# Altium PCB 3-as-manufactured.PcbDoc (part 10 of 16) (continued)
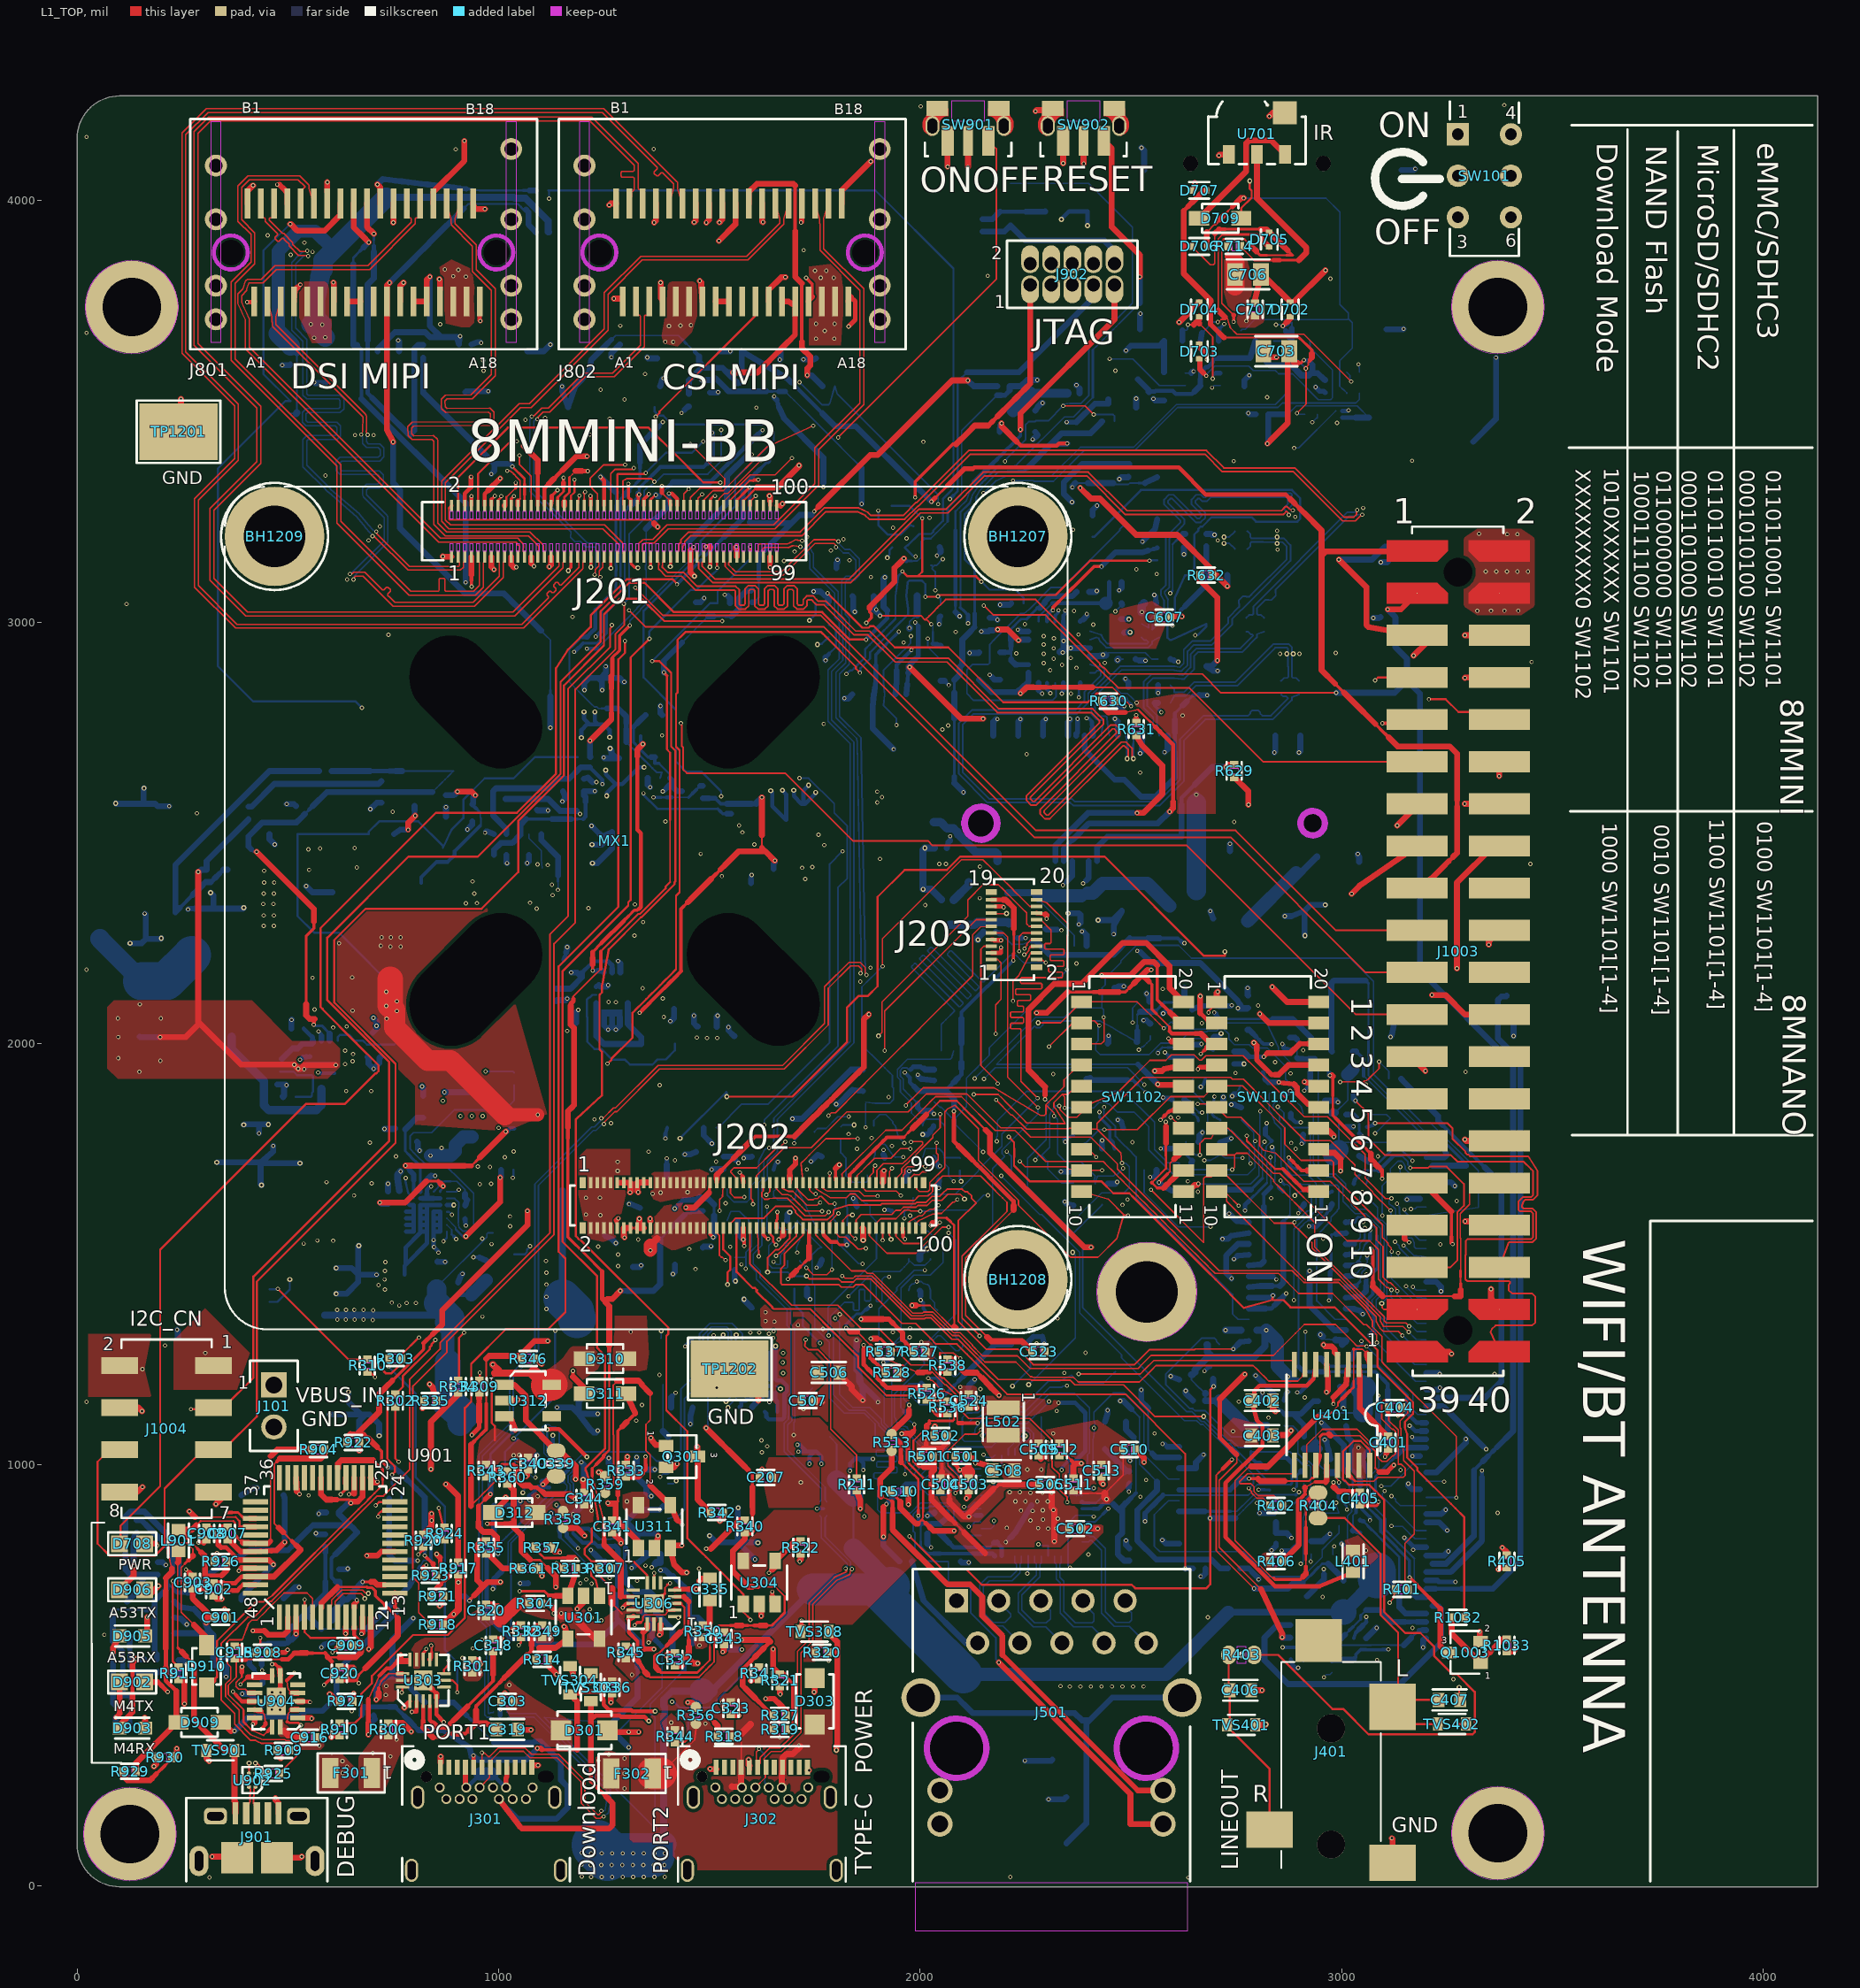
[diagram p0: L1_TOP view]
## Nets (pads, with @x,y where several pads share a name; then routed paths per layer and width w, separated by ;. In a path a pad name is that pad's centre, name@x,y a point inside that pad or via, vN(x,y) a via of type N, cw(c..) or ccw(c..) an arc to the next point about the centre after c; other vN are vias at no path point) (continued)
PCIE_RX_N: J201.63 J601.43 | length 2749.8
  L1_TOP w4: J201.63@1375.99,3155.16 1379.24,3141.2 1379.06,3128.27 1379.06,3128.15 1379.07,3128.03 1379.07,3127.91 1379.08,3127.78 1379.09,3127.66 1379.11,3127.54 1379.13,3127.42 1379.15,3127.3 1379.18,3127.18 1379.21,3127.06 1379.24,3126.95 1379.27,3126.83 1379.31,3126.71 1379.35,3126.6 1379.39,3126.48 1379.44,3126.37 1379.49,3126.26 1379.54,3126.15 1379.6,3126.04 1379.66,3125.93 1379.72,3125.83 1379.78,3125.72 1379.85,3125.62 1379.92,3125.52 1379.99,3125.42 1380.07,3125.33 1380.14,3125.23 1380.22,3125.14 1380.3,3125.05 1380.39,3124.96 1380.88,3124.47 1381.08,3124.47 1396.37,3109.17 1433.73,3109.17 1466.63,3076.28 1550.19,3076.28 1558.53,3076.28 1561.33,3073.48 1561.33,3039.26 1569.4,3031.19 1585.26,3031.19 1593.33,3039.26 1593.33,3074.85 1596.13,3077.65 1604.53,3077.65 1607.33,3074.85 1607.33,3039.26 1615.4,3031.19 1631.26,3031.19 1639.33,3039.26 1639.33,3074.85 1642.13,3077.65 1650.53,3077.65 1653.33,3074.85 1653.33,3039.26 1661.4,3031.19 1677.26,3031.19 1685.33,3039.26 1685.33,3074.85 1688.13,3077.65 1696.53,3077.65 1699.33,3074.85 1699.33,3039.26 1707.4,3031.19 1723.26,3031.19 1731.33,3039.26 1731.33,3050.22 1734.13,3053.02 1742.53,3053.02 1745.33,3050.22 1745.33,3049.26 1753.4,3041.19 1771.89,3041.19 1789.56,3023.51 1843.1,2969.97 1876.06,2969.97 1940.6,2905.43 2063.28,2905.43 2183.15,2785.56 2398.93,2785.56 2405.44,2785.56 2425.52,2765.48 2425.52,2761.52 2252.4,2588.4 2252.4,2576.99 2263.61,2565.77 2275.03,2565.77 2456.15,2746.89 2460.11,2746.89 2466.05,2740.95 2466.05,2736.99 2284.93,2555.87 2284.93,2544.46 2296.14,2533.25 2307.56,2533.25 2480.67,2706.37 2484.63,2706.37 2487.91,2703.09 2493.83,2697.17 2493.83,2681.12 2490.76,2678.05 v2(2490.76,2675.88)
  L8_BOT w4: v2(2490.76,2675.88) J601.43@2490.76,2716.71 ; 2493.91,2686.55 2493.77,2686.69 2493.61,2699.91 2493.61,2699.98 2491.01,2715.26 J601.43@2490.76,2716.71 ; J601.43@2490.76,2716.71 J601.43@2488.42,2730.52 2490.76,2728.18 J601.43@2490.76,2716.71
PCIE_RX_P: J201.65 J601.41 | length 2754.5
  L1_TOP w4: J201.65@1391.74,3155.16 1388.52,3141.08 1388.37,3130.1 1388.37,3129.91 1400.1,3118.17 1437.46,3118.17 1470.35,3085.28 1550.19,3085.28 1562.26,3085.28 1570.33,3077.21 1570.33,3042.99 1573.13,3040.19 1581.53,3040.19 1584.33,3042.99 1584.33,3078.58 1592.4,3086.65 1608.26,3086.65 1616.33,3078.58 1616.33,3042.99 1619.13,3040.19 1627.53,3040.19 1630.33,3042.99 1630.33,3078.58 1638.4,3086.65 1654.26,3086.65 1662.33,3078.58 1662.33,3042.99 1665.13,3040.19 1673.53,3040.19 1676.33,3042.99 1676.33,3078.58 1684.4,3086.65 1700.26,3086.65 1708.33,3078.58 1708.33,3042.99 1711.13,3040.19 1719.53,3040.19 1722.33,3042.99 1722.33,3053.94 1730.4,3062.02 1746.26,3062.02 1754.33,3053.94 1754.33,3052.99 1757.13,3050.19 1775.62,3050.19 1792.45,3033.35 1846.83,2978.97 1879.78,2978.97 1944.33,2914.43 2067.01,2914.43 2186.88,2794.56 2407.93,2794.56 2409.17,2794.56 2434.52,2769.21 2434.52,2757.79 2261.4,2584.67 2261.4,2580.71 2267.34,2574.77 2271.3,2574.77 2452.42,2755.89 2463.83,2755.89 2475.05,2744.68 2475.05,2733.26 2293.93,2552.15 2293.93,2548.19 2299.87,2542.25 2303.83,2542.25 2476.95,2715.37 2488.36,2715.37 2494.28,2709.45 2502.83,2700.89 2502.83,2681.12 2505.91,2678.05 v2(2505.91,2675.88)
  L8_BOT w4: v2@2502.91,2677.41 2503.05,2677.55 2503.05,2686.82 2502.89,2700.09 2505.32,2713.05 J601.41@2505.76,2715.42 ; v2(2505.91,2675.88) 2505.76,2675.88 J601.41@2505.76,2715.42 ; J601.41@2507.74,2726 J601.41@2505.76,2715.42 ; J601.41@2508.1,2730.52 2505.76,2728.18 J601.41@2505.76,2715.42
PCIE_TX_N: C616.1 J201.69 | length 2205.9
  L1_TOP w4: J201.69@1423.24,3155.16 1426.47,3169.43 1427.27,3183.71 1427.27,3183.79 1427.28,3183.91 1427.29,3184.03 1427.31,3184.15 1427.33,3184.27 1427.35,3184.39 1427.38,3184.51 1427.41,3184.63 1427.44,3184.75 1427.48,3184.86 1427.52,3184.98 1427.56,3185.09 1427.6,3185.21 1427.65,3185.32 1427.7,3185.43 1427.75,3185.54 1427.81,3185.65 1427.87,3185.75 1427.93,3185.86 1428,3185.96 1428.06,3186.06 1428.13,3186.16 1428.21,3186.26 1428.28,3186.36 1428.36,3186.45 1428.44,3186.54 1428.52,3186.63 1428.61,3186.72 1428.69,3186.81 1428.78,3186.89 1428.87,3186.97 1428.97,3187.05 1429.06,3187.12 1429.16,3187.2 1429.26,3187.27 1429.36,3187.34 1429.47,3187.4 1429.57,3187.46 1429.68,3187.52 1429.78,3187.58 1429.89,3187.63 1430,3187.69 1430.12,3187.73 1430.23,3187.78 1430.34,3187.82 1430.46,3187.86 1430.58,3187.9 1430.69,3187.93 1430.81,3187.96 1430.93,3187.99 1431.05,3188.01 1431.17,3188.03 1431.29,3188.05 1431.41,3188.07 1431.98,3188.61 1431.98,3195.04 1450.94,3214 1715.27,3214 1766.92,3265.64 1772.19,3270.92 1853.29,3270.92 1853.43,3271.06 1853.55,3271.05 1853.67,3271.05 1853.8,3271.04 1853.92,3271.03 1854.04,3271.02 1854.16,3271 1854.28,3270.98 1854.4,3270.95 1854.52,3270.92 1854.64,3270.89 1854.75,3270.86 1854.87,3270.82 1854.98,3270.78 1855.1,3270.74 1855.21,3270.7 1855.32,3270.65 1855.43,3270.6 1864.93,3266.01 1874.42,3261.43 1874.51,3261.39 1874.62,3261.33 1874.72,3261.27 1874.83,3261.21 1874.93,3261.15 1875.03,3261.08 1875.13,3261.01 1875.23,3260.94 1875.33,3260.86 1875.42,3260.78 1875.51,3260.7 1875.6,3260.62 1875.69,3260.53 1876,3260.22 1876,3259.82 1882.72,3253.11 1959.37,3253.11 1990.52,3284.26 1992,3284.26 2115.16,3407.43 2679.35,3407.43 2720.75,3366.02 2888.98,3366.02 3005.72,3249.28 3028.93,3249.28 3035.71,3256.06 3035.71,3264.85 v1(3036.86,3266)
  L8_BOT w4: C616.1@2773.58,3010.14 2780.58,3017.13 2787.96,3017.13 2790.3,3019.48 2790.3,3037.03 3014.27,3261 3031.52,3261 3036.52,3266 v1(3036.86,3266)
PCIE_TX_P: C615.1 J201.71 | length 2203
  L1_TOP w4: J201.71@1438.98,3155.16 1435.74,3168.92 1436.35,3179.88 1436.41,3179.93 1436.5,3180.01 1436.59,3180.09 1436.66,3180.17 1440.98,3184.48 1440.98,3191.31 1454.67,3205 1719,3205 1775.92,3261.92 1850.8,3261.92 1850.94,3261.78 1852.36,3261.78 1861.02,3257.6 1869.68,3253.42 1878.99,3244.11 1963.09,3244.11 1994.24,3275.26 1995.72,3275.26 2118.89,3398.43 2675.62,3398.43 2717.02,3357.02 2885.25,3357.02 2947.27,3295 2953.64,3288.64 3001.99,3240.28 3032.65,3240.28 3047.38,3255 v1(3049,3255)
  L8_BOT w4: C615.1@2816.03,3010.13 2809.03,3017.13 2801.64,3017.13 2799.3,3019.48 2799.3,3033.3 2800.8,3034.8 2819.19,3053.19 2825.97,3053.19 2826.68,3052.48 2833.47,3052.48 2843.65,3062.66 2843.65,3069.45 2842.94,3070.16 2842.94,3076.94 2863.47,3097.47 3018,3252 3035.24,3252 3038.24,3255 v1(3049,3255)
PCIE_TXC_N: C616.2 J601.37 | length 482.8
  L8_BOT w4: J601.37@2547.47,2730.52 2550.06,2745.77 2552.66,2761.01 2552.8,2761.15 2552.8,2774.6 2530.07,2797.33 2530.07,2857.78 2548.8,2876.5 2602.37,2876.5 2602.51,2876.64 2602.91,2876.64 2603.02,2876.64 2603.14,2876.64 2603.26,2876.63 2603.38,2876.62 2603.5,2876.6 2621.24,2874.34 2623.14,2874.34 2641.36,2892.56 2641.36,2923.42 2655.61,2937.67 2759.87,2937.67 2790.16,2967.96 2790.16,2968.16 2787.63,2970.69 2784.49,2970.69 2777.58,2977.61 C616.2@2773.58,2977.61
PCIE_TXC_P: C615.2 J601.35 | length 483.5
  L8_BOT w4: J601.35@2567.16,2730.52 2564.54,2745.78 2561.94,2761.04 2561.8,2761.18 2561.8,2778.32 2539.07,2801.05 2539.07,2854.05 2552.52,2867.5 2602.48,2867.5 2602.62,2867.36 2620.36,2865.09 2620.48,2865.08 2620.6,2865.07 2620.72,2865.06 2620.84,2865.06 2620.95,2865.06 2621.35,2865.06 2621.63,2865.34 2626.86,2865.34 2650.36,2888.83 2650.36,2919.69 2659.33,2928.67 2763.6,2928.67 2797.89,2962.96 2798.08,2962.96 2798.17,2963.04 2798.25,2963.13 2798.33,2963.22 2798.41,2963.32 2798.49,2963.41 2798.56,2963.51 2798.63,2963.61 2798.7,2963.71 2798.76,2963.82 2798.82,2963.92 2798.88,2964.03 2798.94,2964.14 2798.99,2964.24 2799.04,2964.36 2799.09,2964.47 2799.14,2964.58 2799.18,2964.7 2799.22,2964.81 2799.25,2964.93 2799.29,2965.04 2799.32,2965.16 2799.34,2965.28 2799.37,2965.4 2799.39,2965.52 2799.41,2965.64 2799.42,2965.76 2799.43,2965.89 2799.44,2966.01 2799.44,2966.13 2799.44,2966.24 2799.44,2971.61 C615.2@2816.02,2977.61
PCIE_VDD_1V8: C608.1 C609.1 C611.1 L602.2 U601.11 U601.20 | length 310.8
  L5_PWR w20: v1(2045,2426) v1(2061,2426) 2063.46,2423.54 2093,2423.54 2118.46,2449 2300,2449 2321,2470
  L8_BOT w3.5: v1@2470.06,2912.36 C611.1@2481.45,2912.36
  L8_BOT w16.55: v1(2468.61,2909.83) 2468.61,2910.91 v1@2470.06,2912.36
  other v1: 2357.75,2830.16 2410.63,2994.37 2365,3026.78
PCIE_VDD_DIG: C603.1 C604.1 R603.2 R604.2 U601.7 | length 298.6
  L8_BOT w5: U601.7@2280.97,3002.09 2280.97,3012.7 2313.44,3045.18 ; 2351.18,3045.18 2351.33,3045.02
  L8_BOT w10: 2313.44,3045.18 2351.18,3045.18 C603.1@2448.27,3045.18 C604.1@2448.27,3094.98
  L8_BOT w20: R604.2@2079.76,2341 2115,2376.24 2115,2383
  L8_BOT w31.31: C603.1@2440.32,3044.71 C603.1@2440.77,3045.16
  other v1: 2141.57,2420.02 2248.45,2995.03
PCIE_VDDA_1V8: C605.1 C606.1 C607.1 L601.1 U601.3 U601.16 | length 193.3
  L8_BOT w3.5: 2440.14,2921.36 2446.46,2927.68 2534.08,2927.68 2549.39,2912.36 C606.1@2564.39,2912.36
  L8_BOT w16.55: U601.16@2403.41,2919.02 2419.45,2919.02 2428.51,2920.09 2434.04,2920.69 2440.13,2921.35
  L8_BOT w20: v1(2525.86,3024.14) 2525.86,3039.82 C605.1@2531.21,3045.18
  other v1: 2052.75,2745.14 2066.15,2755.01 2437.74,2903.51 2433.83,2922.63 2228.08,2925.83
PD1_I2C_SCL: R302.2 U303.8 | length 719.4
  L1_TOP w5: R302.2@754.41,1137.85 754.41,1107.14 754.41,1015 v1(762.13,1007.28) ; U303.8@869.98,504.27 869.98,514.41 880.1,524.53 880.1,535.13 v1(881,536.03)
  L3_INT w5: v1(762.13,1007.28) 777.86,991.54 777.86,590 806.96,560.9 813.86,560.9 838.74,536.03 v1(881,536.03)
PD1_I2C_SDA: R303.2 U303.7 | length 912.9
  L1_TOP w5: v1(738.71,1232.72) 738.71,1235.61 739.65,1236.55 R303.2@739.65,1252.21 ; U303.7@869.98,488.52 890.42,488.52 901.53,477.42 v1(901.53,460.34)
  L8_BOT w5: v1(738.71,1232.72) 803.04,1168.39 803.04,970.3 871.79,901.54 871.79,717.14 871.79,561.5 901.53,531.76 v1(901.53,460.34)
PD2_I2C_SCL: R309.2 U306.8 | length 715.4
  L1_TOP w5: v1(1309.96,771.53) 1310.92,770.57 1319.96,770.57 1352.42,738.11 U306.8@1352.44,720.36
  L1_TOP w10.99: v1(935.86,1070.78) 953.46,1088.38 953.46,1102.16
  L1_TOP w13.03: 953.46,1143.49 953.46,1157.27
  L1_TOP w14.05: 953.46,1102.16 953.46,1143.49 ; 953.46,1157.27 R309.2@953.47,1171.04
  L3_INT w3.5: 1035.48,917.04 1035.48,914.53 1090.04,859.98 1092.55,859.98 1163.71,788.81 ; 1185.93,788.81 1206.27,768.47
  L3_INT w4.85: 1206.27,768.47 1221.43,768.47
  L3_INT w7.92: v1(935.86,1070.78) 946.93,1059.71 ; 1174.82,788.81 1185.93,788.81 ; 1236.59,768.47 1266.91,768.47 1269.97,771.53 v1(1309.96,771.53)
  L3_INT w13.03: 1163.71,788.81 1174.82,788.81
  L3_INT w14.05: 946.93,1059.71 1034.78,971.86 1034.78,917.74 1035.48,917.04 ; 1221.43,768.47 1236.59,768.47
PD2_I2C_SDA: R310.2 U306.7 | length 992.3
  L1_TOP w5: R310.2@688.06,1220.85 693.82,1220.85 v1(706.29,1208.37) ; U306.7@1368.19,729.92 1368.43,730.16 1368.43,743.17 v1(1368.67,743.41)
  L3_INT w5: v1(706.29,1208.37) 706.29,1148.12 850.5,1003.91 850.5,963.61 858.1,956.01 862.04,952.07 862.04,949.69 960.27,851.47 962.66,851.47 1092.63,721.5 1142.49,721.5 1167.5,696.49 1323.69,696.49 1354.67,727.48 1359.03,731.84 1359.03,733.77 v1(1368.67,743.41)
PD_EN_SRC1: R332.1 U303.16 | length 375.1
  L1_TOP w5: v1(769.7,459.94) 771.56,461.79 U303.16@771.55,472.79 ; v1(1047.18,572.28) 1052.99,578.09 R332.1@1053,589.99
  L6_INT w5: v1(769.7,459.94) 790.64,439 913.9,439 v1@1047.18,572.28
PD_EN_SRC2: R334.1 U306.16 | length 956.6
  L1_TOP w14.05: v1(839,990) 838.82,990.18 838.82,1102.22 903.7,1167.1 R334.1@903.71,1171.04 ; v1(1381.45,596.92) 1383.94,599.4 U306.16@1383.94,621.95
  L3_INT w3.5: 838.82,963.13 838.82,962.66 957.27,844.21 957.99,844.21 1044.41,757.79 1044.41,757.54 1130.84,671.11
  L3_INT w5.87: 838.82,963.13 838.82,977.78 ; 1254.23,671.11 1270.14,655.21 1270.14,653.68 1286.04,637.78 1287.57,637.78 1306.8,618.55 1317.31,608.03 1341.18,608.03
  L3_INT w6.9: 838.82,977.78 838.82,989.82 v1(839,990) ; 1146.26,671.11 1192.53,671.11 ; 1238.81,671.11 1254.23,671.11
  L3_INT w7.92: 1192.53,671.11 1238.81,671.11
  L3_INT w9.96: 1341.18,608.03 1353.11,608.03
  L3_INT w14.05: 1130.84,671.11 1146.26,671.11 ; 1353.12,608.03 1364.23,596.92 v1(1381.45,596.92)
PHY_CLKOUT: U501.25
PMIC_ON_REQ: J201.48 R131.1 | length 984.2
  L1_TOP w9.96: v1(1241.36,3344.79) 1250.02,3336.13 J201.48@1250.01,3276.42
  L8_BOT w3.5: 1198.18,2964.64 1188.03,2954.49 1177.88,2944.34 1167.72,2934.18 1167.72,2857.74 1209.37,2816.09 1219.78,2805.68 1226.7,2798.75 1230.03,2798.75 1230.19,2798.91
  L8_BOT w3.83: 1230.19,2798.91 1232.93,2798.91 1236.58,2795.26 1243.53,2795.26
  L8_BOT w4.85: 1243.53,2795.26 1256.88,2795.26 ; 1278.06,3170.35 1278.06,3200.96 ; 1278.06,3277.48 1278.06,3308.09 ; 1302.67,2715.39 1312.97,2705.09 1323.26,2694.8 1333.56,2684.5 1343.86,2674.2 1354.16,2663.9 1364.46,2653.6 1374.76,2643.3 1386.89,2643.3 R131.1@1382.95,2630.14
  L8_BOT w5.87: 1228.9,3029.36 1238.74,3039.2 ; 1268.23,3068.69 1278.06,3078.52 1278.06,3121.76 1278.94,3122.64 1278.94,3133.36 1278.06,3134.24 1278.06,3170.35 ; 1278.06,3200.96 1278.06,3277.48
  L8_BOT w7.92: 1238.74,3039.2 1248.57,3049.03
  L8_BOT w8.94: 1248.57,3049.03 1268.23,3068.69
  L8_BOT w9.96: 1198.18,2964.64 1208.18,2964.64 ; 1209.8,2965.58 1218.89,2974.67 1228.9,2984.68 1228.9,3029.36
  L8_BOT w12.01: 1302.67,2745.78 1302.67,2760.97
  L8_BOT w13.03: 1208.18,2964.64 1209.79,2965.58 ; 1302.67,2730.59 1302.67,2745.78
  L8_BOT w14.05: v1(1241.36,3344.79) 1278.06,3308.09 ; 1256.88,2795.26 1283.57,2795.26 1302.67,2776.16 1302.67,2760.97 ; 1302.67,2715.39 1302.67,2730.59
POR_B: D908.A J201.50 R210.1 U204.2 | length 2245.5
  L1_TOP w4: J201.50@1265.76,3276.42 1265.77,3352.58 1275.45,3362.26 1317.09,3362.26 v1(1320.5,3365.67) ; v1(2339.11,3513.28) 2391.27,3513.28 v1(2411.85,3492.7)
  L6_INT w4: v1(1320.5,3365.67) 1336.78,3365.67 1342.34,3371.23 1530.88,3371.23 1609.44,3371.23 1656.57,3371.23 1667.57,3382.24 1678.57,3393.24 1689.57,3404.24 1872.28,3404.24 1964.88,3404.24 2134.67,3404.24 2178.22,3404.24 v1(2201,3381.46)
  L8_BOT w4: v1(2201,3381.46) 2201,3382.02 2205.13,3386.15 2205.13,3388.11 2249.8,3432.77 2249.8,3468.3 2257.34,3475.84 2272.32,3475.84 2274.27,3477.79 2303.63,3477.79 v1(2339.11,3513.28) ; D908.A@2214.2,4041.47 2399.63,4041.48 2503.62,3937.48 2503.62,3756.79 2400.28,3653.45 2400.28,3538.02 2381.78,3519.51 2354.77,3519.51 v1@2338.9,3517.14 ; v1(2411.85,3492.7) 2457.47,3492.7 2461.2,3488.97 R210.1@2461.2,3476.82
PPS/GPIO: U501.22
REF_CLK_32K: J202.37 R215.1 U202.8 | length 2544.1
  L1_TOP w5: v1(1974.3,830.56) 2051.7,753.15 2108.36,753.15 2146.08,715.44 2502,715.44 2510.07,707.37 2679.06,707.37 2687.99,716.3 v1(2687.99,873.36) 2687.99,1177.91 v1(2696.45,1186.37)
  L1_TOP w5.87: J202.37@1500.04,1657.09 J202.37@1501.27,1669.64
  L1_TOP w7.92: 1498.95,1646.02 J202.37@1500.04,1657.09
  L1_TOP w14.05: v1(1444,1611) 1444.66,1610.34 1463.27,1610.34 1498.95,1646.02
  L3_INT w4.2: v1(1444,1611) 1492.57,1562.43 1492.57,1502.24 1546.71,1448.1 1566.51,1448.1 1707.77,1306.84 1707.77,1273.23 1900,1081 1900,904.85 v1(1974.3,830.56)
  L8_BOT w3.5: 2747.57,873.36 2757.1,882.89 2766.62,892.42 2776.15,901.94 2785.68,911.47 2795.21,921
  L8_BOT w3.83: 2795.21,921 2838.35,921 U202.8@2844.15,915.19
  L8_BOT w14.05: v1(2687.99,873.36) 2747.57,873.36 ; R215.1@2695.28,1204.23 2695.28,1187.55 v1(2696.45,1186.37)
REF_CLK_32K_3V3: R629.2 U202.16 | length 2707.7
  L1_TOP w14.05: R629.2@2745.04,2631.98 2778.86,2598.16 v1(2778.86,2566.8)
  L6_INT w4: v1(2778.86,2566.8) 3071.69,2273.97 3071.69,2270.65 2816.2,2015.17 2816.2,1998.7 2792.78,1975.27 2792.78,1784.41 2792.78,1783.22 2752.55,1743 2752.55,1691 2826.86,1616.7 2835.52,1616.7 2842.21,1610 2968.97,1610 2971.31,1607.66 2971.31,1583.59 2933.75,1546.02 2933.75,1526.95 2936.37,1524.33 2936.37,1448.79 2931.8,1444.23 2908.2,1444.23 2880.63,1471.8 2828.11,1471.8 2799.39,1443.08 2799.39,1317.61 2940.51,1176.49 2940.51,1133.94 2965.99,1108.45 2965.99,1086.59 2909.93,1030.52 2909.93,947.04 2898.9,936.02 v1(2898.9,935.1)
  L8_BOT w3.5: 2781.26,919.21 2791.13,929.09 2877.36,929.09
  L8_BOT w3.83: 2736.37,889.59 2751.63,889.59 2781.26,919.21 ; 2877.36,929.09 2891.73,929.09
  L8_BOT w5.87: 2891.97,929.08 2897.98,935.1 v1(2898.9,935.1)
  L8_BOT w6.9: 2675.31,889.59 2736.37,889.59
  L8_BOT w7.92: 2891.73,929.08 2891.97,929.08
  L8_BOT w14.05: U202.16@2614.23,889.6 2675.31,889.59
REF_CLK_CN_N: J601.49 R615.2 R617.2 R622.1 | length 1647
  L3_INT w4: v2(2847,3187) 2844.84,3187 2841.34,3190.5 2835,3190.5 2825,3180.5 2825,3055.3 2881.5,2998.8 2881.5,2930.66 2885,2927.16 v2(2885,2925)
  L8_BOT w4: J601.49@2429.36,2730.52 2431.95,2745.68 2434.56,2760.82 2434.26,2767.53 2434.12,2767.67 2422.53,2767.67 2421.19,2769.02 2418.59,2769.02 2406.1,2781.51 2406.1,2797.99 2405.96,2798.13 2405.96,2798.54 2405.96,2798.66 2405.97,2798.78 2405.98,2798.9 2405.99,2799.02 2407.67,2813.14 2407.67,2829.03 2474.1,2895.45 2602.77,2895.45 2602.91,2895.59 2603.02,2895.59 2603.15,2895.58 2603.27,2895.58 2603.39,2895.57 2603.51,2895.55 2603.63,2895.53 2603.75,2895.51 2603.87,2895.49 2616.05,2892.92 2625.36,2902.23 2625.36,2934.5 2645.78,2954.92 2688.77,2954.92 2731.26,2997.41 2731.26,3010.85 2755.68,3035.28 2757.1,3036.69 2757.1,3043.48 2755.8,3044.78 2755.8,3051.57 2765.98,3061.75 2772.77,3061.75 2774.07,3060.45 2780.86,3060.45 2784.75,3064.34 2786.16,3065.76 2869.83,3149.42 2869.83,3179.17 2859,3190 2852.16,3190 2849.16,3187 v2(2847,3187) 2844.84,3187 2841.84,3190 2813.52,3190 2813.43,3190.09 2785.73,3190.09 2783.38,3187.75 2783.38,3180.37 R615.2@2776.38,3173.37 ; R622.1@2593.91,2850.58 2593.92,2849.57 2602.91,2840.58 2602.91,2834.01 2603.05,2833.87 2626.32,2833.87 2650.43,2857.98 2748.25,2857.98 2833.34,2943.07 2838.62,2948.34 2874.38,2948.34 2882,2940.73 2882,2930.16 2885,2927.16 v2(2885,2925) 2885,2922.84 2882,2919.84 2882,2898.5 2882.24,2898.25 2882.24,2870.06 2884.59,2867.72 2891.97,2867.72 R617.2@2898.97,2860.72
REF_CLK_CN_P: J601.47 R614.2 R616.2 R621.1 | length 1649.5
  L3_INT w4: v2(2847,3202) 2844.84,3202 2841.34,3198.5 2831.69,3198.5 2817,3183.81 2817,3051.99 2873.5,2995.49 2873.5,2930.66 2870,2927.16 v2(2870,2925)
  L8_BOT w4: J601.47@2449.05,2730.52 2446.43,2745.88 2443.83,2761.23 2443.34,2772.38 2443.34,2772.5 2443.33,2772.62 2443.31,2772.74 2443.3,2772.86 2443.28,2772.98 2443.25,2773.1 2443.23,2773.22 2443.2,2773.34 2443.17,2773.46 2443.13,2773.57 2443.09,2773.69 2443.05,2773.8 2443.01,2773.92 2442.96,2774.03 2442.91,2774.14 2442.86,2774.25 2442.8,2774.36 2442.74,2774.47 2442.68,2774.57 2442.62,2774.68 2442.55,2774.78 2442.48,2774.88 2442.41,2774.98 2442.33,2775.07 2442.25,2775.17 2442.17,2775.26 2442.09,2775.35 2442.01,2775.44 2441.92,2775.52 2441.83,2775.61 2441.74,2775.69 2441.65,2775.76 2441.55,2775.84 2441.45,2775.91 2441.35,2775.99 2441.25,2776.05 2441.15,2776.12 2441.05,2776.18 2440.94,2776.24 2440.83,2776.3 2440.72,2776.35 2440.61,2776.41 2440.5,2776.45 2440.39,2776.5 2440.27,2776.54 2440.16,2776.58 2440.04,2776.62 2439.92,2776.65 2439.81,2776.68 2439.69,2776.71 2439.57,2776.73 2439.45,2776.75 2439.33,2776.77 2439.21,2776.79 2439.08,2776.8 2438.96,2776.81 2438.84,2776.81 2438.72,2776.81 2438.58,2776.67 2426.26,2776.67 2424.91,2778.02 2422.32,2778.02 2415.1,2785.24 2415.1,2798.06 2415.24,2798.2 2416.92,2812.32 2416.93,2812.44 2416.94,2812.56 2416.95,2812.68 2416.95,2812.8 2416.95,2813.21 2416.74,2813.42 2416.74,2825.37 2477.82,2886.45 2602.29,2886.45 2602.43,2886.31 2615.23,2883.61 2615.35,2883.59 2615.47,2883.57 2615.59,2883.55 2615.72,2883.53 2615.84,2883.52 2615.96,2883.52 2616.08,2883.51 2616.19,2883.51 2617.85,2883.51 2617.97,2883.51 2618.09,2883.52 2618.21,2883.52 2618.33,2883.53 2618.45,2883.55 2618.57,2883.57 2618.69,2883.59 2618.81,2883.61 2618.93,2883.64 2619.05,2883.67 2619.17,2883.7 2619.28,2883.74 2619.4,2883.78 2619.51,2883.82 2619.63,2883.87 2619.74,2883.91 2619.85,2883.97 2619.96,2884.02 2620.07,2884.08 2620.17,2884.14 2620.28,2884.2 2620.38,2884.26 2620.48,2884.33 2620.58,2884.4 2620.68,2884.48 2620.78,2884.55 2620.87,2884.63 2620.96,2884.71 2621.05,2884.79 2621.13,2884.87 2621.13,2885.26 2634.36,2898.5 2634.36,2930.77 2649.51,2945.92 2692.5,2945.92 2740.26,2993.68 2740.26,3007.12 2783.84,3050.7 2878.83,3145.69 2878.83,3182.9 2862.73,3199 2852.16,3199 2850.7,3200.47 2847.47,3200.47 v2@2847,3200 ; R621.1@2593.92,2808.15 2602.91,2824.73 2603.05,2824.87 2630.05,2824.87 2654.16,2848.98 2751.98,2848.98 2842.34,2939.34 2870.66,2939.34 2873,2937 2873,2930.16 2870,2927.16 v2(2870,2925) 2870,2922.84 2873,2919.84 2873,2894.77 2873.24,2894.52 2873.24,2870.06 2870.9,2867.72 2863.52,2867.72 R616.2@2856.52,2860.72 R616.2@2855.51,2860.73 ; R614.2@2776.38,3215.81 2783.38,3208.81 2783.38,3201.43 2785.73,3199.09 2817.16,3199.09 2817.25,3199 2841.84,3199 2844.84,3202 v2(2847,3202)
SAI1_MCLK: J202.98 J1001.4 | length 1493.3
  L1_TOP w3.5: J202.98@1973.72,1561.93 1973.72,1576.89 1986.02,1584.27 1996.82,1590.75 1997.65,1591.25 2004.45,1591.25 2010.75,1597.55 2010.75,1598.45 2012.42,1600.12 2022.91,1606.42 2032.21,1606.42 2041.8,1616 v1(2043,1616)
  L3_INT w4.2: v1(2043,1616) 2043.49,1615.51 2053.46,1615.51 2057.27,1611.7 2112.99,1611.7 2114.26,1612.97 2203.5,1612.97 2282.09,1612.97 2313.53,1612.97 2342.88,1642.32 2497.92,1642.32 2498.56,1641.68 2581.36,1641.68 2625.87,1686.19 2741.81,1686.19 2760.84,1705.23 2760.84,1708.39 2779.88,1727.42 2787.73,1727.42 2835.86,1679.3 2835.86,1675.03 2919.68,1591.21 3001.57,1591.21 3096.21,1591.21 v1(3096.63,1591.63)
  L8_BOT w3.5: v1(3096.63,1591.63) 3096.19,1592.07 3096.19,1662.45 3115.34,1681.6 3115.34,1702.66 3133.28,1720.59 3142.96,1720.59 3147.17,1716.39 3150.85,1707.98 3150.85,1701.94 3163.19,1689.61 3178.74,1689.61 J1001.4@3200.73,1690.44
SAI1_RXC: J202.76 J1001.18 | length 1575.8
  L1_TOP w3.5: J202.76@1800.49,1561.93 1800.49,1549.05 1808.67,1540.87 1823.47,1540.87 1852.44,1511.91 1859.79,1511.91 1861.45,1513.57 1870.57,1513.57 v1(1871,1514)
  L3_INT w4.2: v1(1871,1514) 1896.44,1514 1907.89,1502.55 1931.19,1502.55 1953.53,1524.9 2006.42,1524.9 2007.58,1526.06 2060.47,1526.06 2110.41,1576 2289.45,1576 2307.99,1557.45 2460.49,1557.45 2582.49,1557.45 2597.74,1557.45 2679.04,1476.15 2789.37,1476.15 2931.22,1476.15 3038.33,1369.03 3065.61,1369.03 3065.74,1368.9 3115.44,1368.9 v1(3169.22,1422.67)
  L8_BOT w3.5: v1(3169.22,1422.67) 3177.05,1414.84 J1001.18@3200.73,1414.85
SAI1_RXD0: J202.78 J1001.20 R1112.1 SW1101.5 | length 2389.4
  L1_TOP w3.5: J202.78@1816.23,1561.94 1816.23,1579.99 1828.63,1592.39 1838.55,1592.39 v2(1839.18,1593.02) ; v1(2436.84,1795.6) 2515.27,1795.6 2593.54,1873.86 2673.2,1873.86 2698.11,1898.77 SW1101.5@2703.63,1898.79 2728.62,1899.69 2764.78,1899.69 2865.26,1799.2 2865.26,1760.97 2903.56,1722.67 2975.76,1722.67 2980.71,1717.72 2980.71,1685.75 3012.37,1654.09 3022.92,1643.54 3033.47,1632.99 3044.02,1622.44 3054.57,1611.89 3096.78,1569.68 3096.78,1539.73 3103.56,1532.94 3110.35,1526.15 3110.35,1522.32 3117.94,1514.72 3117.94,1506.85 v1(3118.64,1506.15)
  L3_INT w4.2: v2(1839.18,1593.02) 1839.18,1594.45 1801.48,1632.14 1801.48,1641.52 1765.28,1677.72 1732.98,1677.72 1668.91,1741.79 1668.91,1780.02 1671.37,1782.48 1811.14,1782.48 1832.61,1761 1894.77,1761 1911.08,1777.31 1989.56,1777.31 1994.97,1771.9 2011.01,1771.9 2015.48,1776.37 2076.22,1776.37 2108.79,1743.8 2141.09,1711.5 2209.68,1711.5 2293.78,1795.6 v1(2436.84,1795.6)
  L8_BOT w3.5: R1112.1@2363.5,1752.1 2374.21,1756.92 2384.91,1761.73 2395.61,1766.55 2424.66,1795.6 v1(2436.84,1795.6) ; v1(3118.64,1506.15) 3117.94,1505.45 3117.94,1442.23 3129.07,1431.11 3140.2,1419.98 3151.32,1408.85 3162.45,1397.73 3173.57,1386.6 3184.7,1375.48 J1001.20@3200.73,1375.48
SAI1_RXD1: J202.80 J1001.21 R1114.1 SW1101.6 | length 2351.5
  L1_TOP w3.5: J202.80@1831.99,1561.93 1834.23,1559.69 1834.23,1546.97 1842.96,1538.24 1844.84,1538.24 v1(1846.08,1537) ; v1(2658.63,1856.57) 2681.41,1856.57 2683.01,1854.96 SW1101.6@2703.63,1848.79 2727.17,1825.24 2760.92,1825.24 2805.41,1780.75 2805.41,1756.58 2815.68,1746.31 2824.52,1744.21 2833.34,1742.11 2843.3,1739.73 2852.88,1730.15 2862.46,1720.58 2881.62,1701.42 2891.2,1691.84 2900.78,1682.26 2910.36,1672.68 2972.86,1672.68 2983.83,1661.71 2994.8,1650.74 3005.77,1639.77 3016.74,1628.8 3027.71,1617.83 3038.68,1606.86 3049.65,1595.89 3060.62,1584.92 3071.58,1573.95 3082.55,1562.98 3082.55,1533.83 3090.49,1525.89 3098.43,1517.95 3098.43,1445.33 3111.37,1432.39 3115.81,1432.39 3128.75,1419.45 3128.75,1417.31 3131.94,1414.12 v1(3131.94,1412.36)
  L3_INT w4.2: v1(1830,1785) 1839.59,1794.59 1848.21,1794.59 1865.7,1812.07 2032.51,1812.07 2051.16,1793.42 2082.24,1793.42 2093.39,1782.27 2104.54,1771.12 2137.99,1737.67 2149.13,1726.53 2149.32,1726.35 2161.61,1726.35 2162.6,1727.34 2198.99,1727.34 2199.99,1726.35 2204.17,1726.35 2287.82,1810 2298.98,1810 2304.89,1815.91 2449.47,1815.91 2460.49,1826.93 2471.52,1837.96 2482.55,1848.98 2493.57,1860.01 2504.6,1871.03 2504.6,1898.11 2534.55,1928.06 2534.55,1931.16 ; v1(2503.97,2049.77) 2503.97,1961.74 2534.55,1931.16 ; v1(2658.63,1856.57) 2650.98,1864.22 2647.33,1864.22 2646.11,1865.43 2635.64,1875.9 2625.17,1886.38 2614.7,1896.85 2604.22,1907.32 2593.75,1917.79 2547.92,1917.79 2541.23,1924.48 2534.55,1931.16
  L6_INT w4.2: v1(1830,1785) 1830.7,1784.3 1830.7,1669.39 1782.88,1621.58 1782.88,1616.16 1794.1,1604.94 1794.1,1582.39 1837.12,1539.37 1842.14,1539.37 1844.51,1537 v1(1846.08,1537)
  L8_BOT w3.5: v1(2503.97,2049.77) 2503.97,2084.73 2514.63,2095.38 R1114.1@2514.62,2098.89 ; v1(3131.94,1412.36) 3131.94,1403.58 3141.5,1394.02 3151.05,1384.46 3160.61,1374.9 3170.17,1365.35 3179.73,1355.79 J1001.21@3200.73,1355.8
SAI1_RXD2: J202.82 J1001.22 R1116.1 SW1101.7 | length 1797.5
  L1_TOP w3.5: J202.82@1847.72,1561.94 1847.72,1581.72 1860.25,1594.25 1932.25,1594.25 1941.94,1603.94 1952.77,1603.94 1960.15,1611.33 1989.99,1611.33 1994.19,1615.53 2016.61,1615.53 2028.5,1627.42 2051.06,1627.42 2065.93,1642.29 2094.71,1642.29 2105,1632.01 v2(2105,1631) ; v1(2663.48,1735.49) 2663.48,1762.66 2669.25,1768.43 2675.2,1774.38 2690.07,1774.38 2696.8,1786.49 SW1101.7@2703.63,1798.79 2730.93,1798.78 2741.62,1788.09 2752.31,1777.4 2773.69,1756.03 2784.37,1745.34 2805.75,1723.96 2816.44,1713.28 2837.81,1691.9 2853.07,1691.9 2863.75,1681.22 2959.85,1585.13 2970.53,1574.45 2981.2,1563.77 3013.18,1531.8 3066.64,1531.8 3087.28,1511.16 3087.28,1440.86 3096.95,1431.19 3106.62,1421.52 3107.08,1421.06 3110.55,1421.06 3116.6,1415 v1(3118,1415)
  L3_INT w4.2: v2(2105,1631) 2109,1631 2138,1660 2295.76,1660 2299.88,1664.12 2321.95,1664.12 2348.22,1690.4 2348.22,1693.02 2400.59,1745.38 2526.32,1745.38 2536.21,1735.49 v1(2663.48,1735.49)
  L8_BOT w3.5: R1116.1@2630.74,1766.86 2630.75,1758.92 2638.56,1751.11 2646.37,1743.3 2654.19,1735.49 v1(2663.48,1735.49) ; v1(3118,1415) 3118,1404.32 3116.29,1402.61 3116.29,1399.11 3179.3,1336.11 J1001.22@3200.73,1336.11
SAI1_RXD3: J202.86 J1001.23 R1118.1 SW1101.8 | length 2240
  L1_TOP w3.5: J202.86@1879.23,1561.93 1879.23,1543.98 1920.97,1502.25 1989.74,1502.25 2051.86,1564.37 v1(2067.41,1564.37) ; SW1101.8@2703.63,1748.79 2717.02,1735.39 2745.83,1735.39 ; v1(2740.45,1700.53) 2745.83,1705.91 2745.83,1735.39 ; v1(3160.39,1328.92) 3152.3,1337.01 3105.98,1337.01 3100.91,1342.09 3100.91,1351.48 3076.25,1376.13 3076.25,1377.02 2936.26,1517.01 2936.26,1575.06 2925.44,1585.88 2914.62,1596.7 2903.8,1607.52 2892.98,1618.34 2882.16,1629.16 2871.34,1639.98 2849.7,1661.63 2838.87,1672.45 2838.72,1672.59 2838.72,1676.66 2775.82,1739.55 2749.99,1739.55 2745.83,1735.39
  L6_INT w4.2: v1(2067.41,1564.37) 2064.76,1564.37 2055.66,1555.27 2055.66,1472.51 2060.26,1467.91 2129.76,1537.4 2129.76,1750.63 2141.09,1761.96 2173.9,1761.96 2179.94,1768 v1(2181.51,1768)
  L8_BOT w3.5: v1(2181.51,1768) 2181.51,1778.2 2183.31,1780 2183.31,1817.13 2252.8,1886.63 ; 2252.81,1886.62 2482.62,1886.62 2555.86,1813.37 2555.86,1748.32 2566.29,1737.89 2576.71,1727.47 2587.13,1717.05 R1118.1@2614.16,1717.05 2614.15,1707.78 2621.4,1700.53 2662.79,1700.53 v1(2740.45,1700.53) ; v1(3160.39,1328.92) 3166.36,1328.92 3178.87,1316.42 J1001.23@3200.73,1316.43